# Altium PCB HW_SSB.PcbDoc (continued)
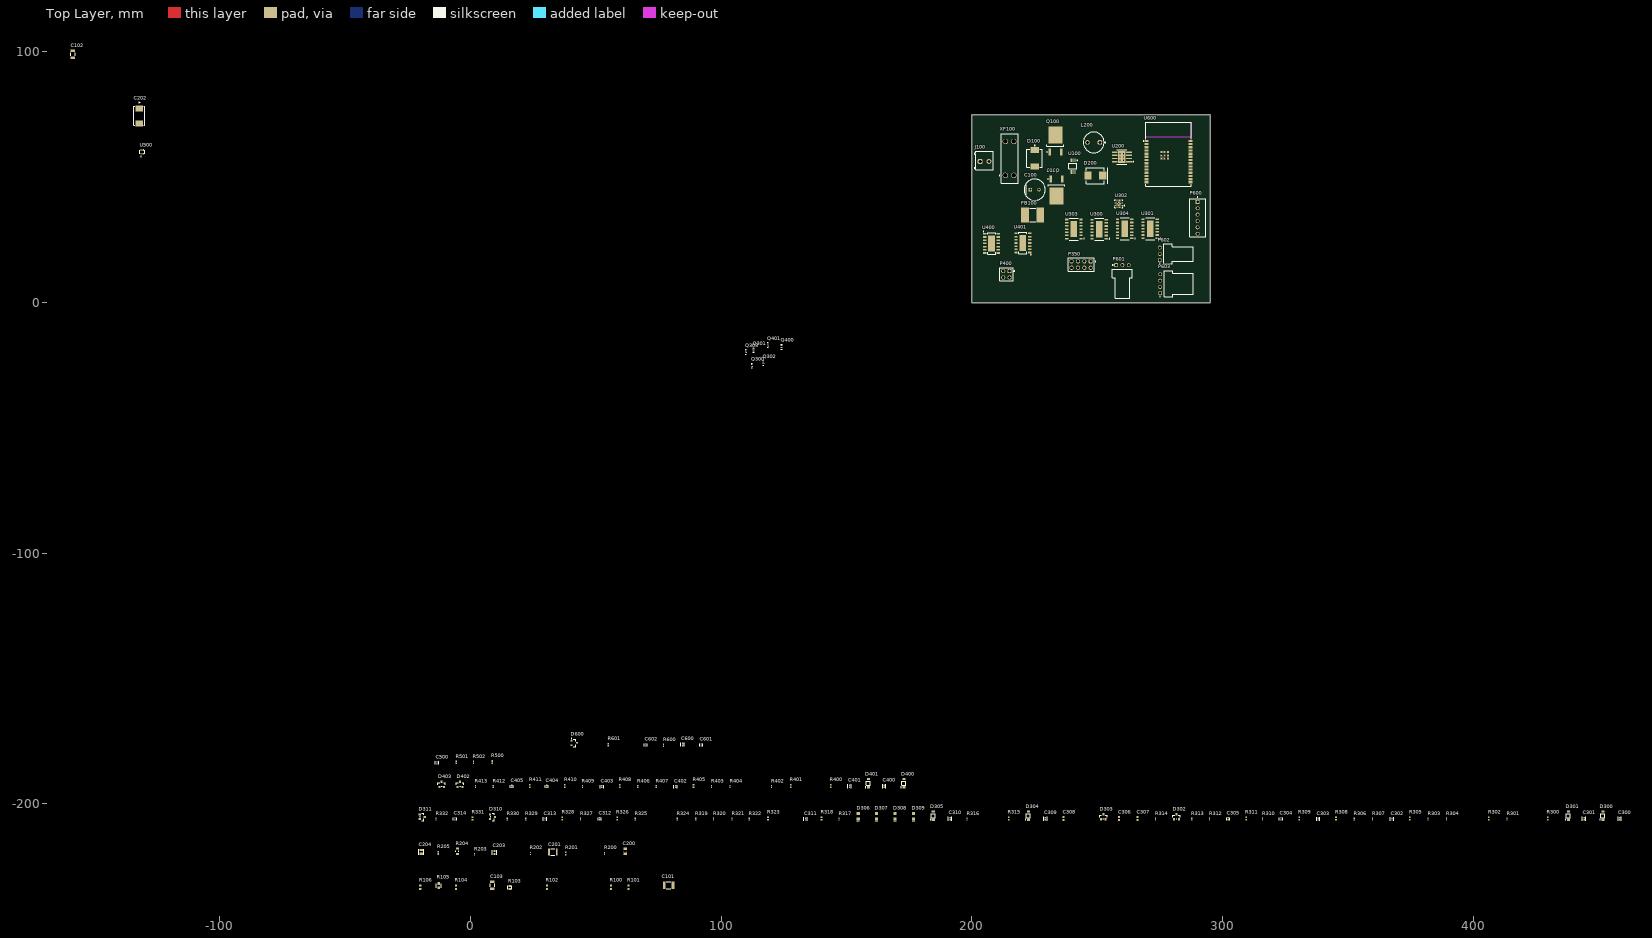
[diagram p0: Top Layer view]
## Footprints (in the part's own frame and the unit in brackets; to place one, negate y for a bottom-side part, rotate by r counter-clockwise, add the part's x,y. Pads: shape width x height; smd on the part's side, far side on the other; paste and mask are expansions set on the pad) (continued)
  Keep-Out Layer region: 9.382,6.458 -8.618,6.458 -8.618,12.458 9.382,12.458
  silkscreen extent -9.72,-13.04 9.38,12.46, body extent -8.62,-13.04 9.38,12.46, height 3.25
FP-C0402-BB-MFG [mm]
  rect 0.52x0.52 smd paste+0 mask+0: 1(-0.4,0) 2(0.4,0)
  silkscreen extent -0.5,-0.64 0.5,0.64, body extent -0.8,-0.4 0.8,0.4, height 0.25
FP-C0603C-CF-MFG [mm]
  rect 0.75x0.9 smd paste+0 mask+0: 1(-0.6,0) 2(0.6,0)
  silkscreen extent -0.87,-0.85 0.88,0.85, body extent -1.2,-0.6 1.2,0.6, height 0.25
FP-C0805C-DN-MFG [mm]
  rect 0.95x1.35 smd paste+0 mask+0: 1(-0.75,0) 2(0.75,0)
  silkscreen extent -1.1,-1.07 1.1,1.07, body extent -1.4,-0.85 1.4,0.85, height 0.25
FP-C1206C-EB-MFG [mm]
  rect 0.95x1.7 smd paste+0 mask+0: 1(-1.4,0) 2(1.4,0)
  silkscreen extent -0.55,-0.9 0.55,0.9, body extent -2,-1 2,1, height 0.25
FP-C3225-250-0_4-IPC_A [mm]
  rect 1.153x2.904 smd paste+0 mask+0: 1(-1.775,0) 2(1.775,0)
  silkscreen extent -0.9,-1.45 0.9,1.45, body extent -2.85,-1.95 2.85,1.95, height 0.25
FP-CC0805-0_85-MFG [mm]
  rect 0.95x1.4 smd paste+0 mask+0: 1(-0.925,0) 2(0.925,0)
  silkscreen extent -0.08,-0.72 0.08,0.72, body extent -1.6,-1.05 1.6,1.05, height 0.25
FP-CRCW0603-e3-IPC_A [mm]
  rect 1.135x1.062 smd paste+0 mask+0: 1(-0.815,0) 2(0.815,0)
  silkscreen extent -0.75,-0.95 0.75,0.95, body extent -1.88,-1.03 1.88,1.03, height 0.25
FP-CRCW0603-e3-IPC_C [mm]
  rect 0.735x0.862 smd paste+0 mask+0: 1(-0.615,0) 2(0.615,0)
  silkscreen extent -0.75,-0.85 0.75,0.85, body extent -1.08,-0.58 1.08,0.58, height 0.25
FP-DDA0008E-MFG [mm]
  rect 2.2x0.5 smd paste-1000 mask+0: 1(-2.875,1.905) 2(-2.875,0.635) 3(-2.875,-0.635) 4(-2.875,-1.905) 5(2.875,-1.905) 6(2.875,-0.635) 7(2.875,0.635) 8(2.875,1.905)
  rect 2.95x4.9 smd paste-1000 mask-1000: 9(0,0)
  silkscreen extent -4.68,-2.83 2,2.83, body extent -4.08,-2.68 4.08,2.68, height 0.25
FP-DRL0006A-MFG [mm]
  rrect33% 0.67x0.3 smd paste+0 mask+0: 1(-0.74,0.5) 2(-0.74,0) 3(-0.74,-0.5) 4(0.74,-0.5) 5(0.74,0) 6(0.74,0.5)
  silkscreen extent -1.9,-1.05 0.65,1.05, body extent -1.17,-1.1 1.17,1.1, height 0.25
FP-GRM15-0_1-MFG [mm]
  rect 0.4x0.5 smd paste+0 mask+0: 1(-0.4,0) 2(0.4,0)
  silkscreen extent -0.55,-0.63 0.55,0.63, body extent -0.7,-0.38 0.7,0.38, height 0.25
FP-GRM155-0_05-IPC_B [mm]
  rect 0.615x0.572 smd paste+0 mask+0: 1(-0.429,0) 2(0.429,0)
  silkscreen extent -0.74,-0.69 0.74,0.69, body extent -0.89,-0.44 0.89,0.44, height 0.25
FP-GRM155-0_05-IPC_C [mm]
  rect 0.515x0.472 smd paste+0 mask+0: 1(-0.379,0) 2(0.379,0)
  silkscreen extent -0.64,-0.67 0.64,0.67, body extent -0.74,-0.38 0.74,0.38, height 0.25
FP-PG-DSO-14-MFG [mm]
  rect 1.31x0.64 smd paste+0 mask+0: 1(-2.845,3.81) 2(-2.845,2.54) 3(-2.845,1.27) 4(-2.845,0) 5(-2.845,-1.27) 6(-2.845,-2.54) 7(-2.845,-3.81) 8(2.845,-3.81) 9(2.845,-2.54) 10(2.845,-1.27) 11(2.845,0) 12(2.845,1.27) 13(2.845,2.54) 14(2.845,3.81)
  rect 2.65x6.5 smd paste+0 mask+0: 15(0,0)
  silkscreen extent -4.23,-4.38 1.82,4.38, body extent -3.6,-4.47 3.6,4.47, height 0.25
FP-POSCAP-D2E-MFG [mm]
  rect 2.4x2.9 smd paste+0 mask+0: 1(-3.05,0) 2(3.05,0)
  silkscreen extent -3.8,-2.25 5.68,2.25, body extent -4.35,-2.35 4.35,2.35, height 0.25
FP-RAD-TH-D_8_0_5-L_11_5-MFG [mm]
  rect 1.3x1.3 hole 0.8 paste-2539.97 mask+0: 1(-1.75,0)
  round 1.3 hole 0.8 paste-2539.97 mask+0: 2(1.75,0)
  silkscreen extent -4.25,-4.25 4.25,4.25, body extent -4.35,-4.35 4.35,4.35, height 0.25
FP-RT0805-MFG [mm]
  rect 0.9x1.2 smd paste+0 mask+0: 1(-1.05,0) 2(1.05,0)
  silkscreen extent -0.23,-0.67 0.23,0.67, body extent -1.6,-0.77 1.6,0.77, height 0.25
FP-RTE0016C-MFG [mm]
  rrect42% 0.6x0.24 smd paste+0 mask+0: 1(-1.4,0.75) 2(-1.4,0.25) 3(-1.4,-0.25) 4(-1.4,-0.75) 9(1.4,-0.75) 10(1.4,-0.25) 11(1.4,0.25) 12(1.4,0.75)
  rrect42% 0.24x0.6 smd paste+0 mask+0: 5(-0.75,-1.4) 6(-0.25,-1.4) 7(0.25,-1.4) 8(0.75,-1.4) 13(0.75,1.4) 14(0.25,1.4) 15(-0.25,1.4) 16(-0.75,1.4)
  rrect6% 1.68x1.68 smd paste-1000 mask+0: 17(0,0)
  silkscreen extent -2.33,-1.55 1.55,1.55, body extent -1.8,-1.8 1.8,1.8, height 0.25
FP-SMCJ-MFG [mm]
  rect 2.4x3.3 smd paste+0 mask+0: 1(-3.3,0) 2(3.3,0)
  silkscreen extent -5.27,-3.11 3.55,3.11, body extent -4.6,-3.21 4.6,3.21, height 0.25
FP-SOT23-MFG [mm]
  rect 0.9x0.8 smd paste+0 mask+0: 1(-1,0.95) 2(-1,-0.95) 3(1,0)
  silkscreen extent -0.7,-1.5 0.7,1.5, body extent -1.55,-1.6 1.55,1.6, height 0.25
FP-SOT883B-MFG [mm]
  rrect40% 0.4x0.25 smd paste-1000 mask+0: 1(-0.35,0.225) 2(-0.35,-0.225)
  rrect25% 0.4x0.7 smd paste-1000 mask+0: 3(0.35,0)
  silkscreen extent -0.97,-0.25 0.97,0.25, body extent -0.65,-0.45 0.65,0.45, height 0.25
INF-PG-TO252-3-313_M#1 [mm] "DPAK, 3-Leads, Body 6.5x6.12mm, Pitch 2.28mm, IPC Low Density"
  rect 2.85x1 smd: 1(-4.4,2.28) 3(-4.4,-2.28)
  rect 6.9x5.65 smd: 2(2.4,0)
  silkscreen extent -4.52,-3.35 -1.45,3.45, body extent -2.05,-3.32 4.17,3.32, height 2.35
INF-PG-TO252-3-313_M#2 [mm] "DPAK, 3-Leads, Body 6.5x6.12mm, Pitch 2.28mm, IPC Low Density"
  rect 2.85x1 smd: 1(-4.4,-2.28) 3(-4.4,2.28)
  rect 6.9x5.65 smd: 2(2.4,0)
  silkscreen extent -4.52,-3.45 -1.45,3.35, body extent -2.05,-3.32 4.17,3.32, height 2.35
INF-SOT23_L [mm] "SOT23, 3-Leads, Body 2.9x1.3 mm, Pitch 0.95 mm, IPC High Density"
  rect 0.75x0.6 smd: 1(-1.1,0.95) 2(-1.1,-0.95) 3(1.1,0)
  silkscreen extent -1.22,-1.5 0.7,1.92, body extent -0.7,-1.5 0.7,1.5, height 1.1
KSTN-3557-2 [mm] "Fuse Holder, PCB Mount, Thru-Hole, Body 19.8x6.8mm, Height 7.4mm"
  round 2.15 hole 1.8: 1(-6.75,1.7) 2(-6.75,-1.7) 3(6.75,1.7) 4(6.75,-1.7)
  silkscreen extent -9.9,-3.4 9.9,4.12, body extent -9.91,-3.37 9.91,3.37, height 7.74
MOLX-22-23-2061_V [mm] "THD, 6-Leads, Body 15.24x6.35mm, Pitch 2.54mm"
  rect 1.55x1.55 hole 1.02: 1(-6.35,0)
  round 1.55 hole 1.02: 2(-3.81,0) 3(-1.27,0) 4(1.27,0) 5(3.81,0) 6(6.35,0)
  silkscreen extent -8.39,-3.18 7.62,3.18, body extent -7.54,-3.25 7.54,3.1, height 10.67
ONSC-SOD-123-2-425-04_V [mm] "SOD, 2-Leads, Body 2.69x1.6mm"
  rect 0.91x1.22 smd: 1(-1.635,0) 2(1.635,0)
  silkscreen extent -1.76,-0.8 0.78,1.28, body extent -1.35,-0.8 1.35,0.8, height 1.35
RESC0201(0603)_M [mm] "Chip Resistor, Body 0.6x0.3mm, IPC Low Density"
  rect 0.55x0.55 smd: 1(-0.4,0) 2(0.4,0)
  body extent -0.31,-0.16 0.31,0.16, height 0.3
RESC0603X28X15LL05T05 [mm] "Chip Resistor, 2-Leads, Body 0.60x0.30mm, IPC High Density"
  rect 0.35x0.25 smd: 1(-0.275,0) 2(0.275,0)
  body extent -0.33,-0.17 0.32,0.18, height 0.28
RESC0603X28X15ML05T05 [mm] "Chip Resistor, 2-Leads, Body 0.60x0.30mm, IPC Low Density"
  rect 0.55x0.45 smd: 1(-0.375,0) 2(0.375,0)
  body extent -0.33,-0.17 0.33,0.18, height 0.28
RESC1005X40X25LL05T10 [mm] "Chip Resistor, 2-Leads, Body 1.00x0.50mm, IPC High Density"
  rect 0.5x0.45 smd: 1(-0.375,0) 2(0.375,0)
  body extent -0.53,-0.27 0.53,0.28, height 0.4
RESC1005X40X25ML05T10 [mm] "Chip Resistor, 2-Leads, Body 1.00x0.50mm, IPC Low Density"
  rect 0.7x0.65 smd: 1(-0.475,0) 2(0.475,0)
  body extent -0.53,-0.27 0.53,0.28, height 0.4
RESC1005X40X25NL05T10 [mm] "Chip Resistor, 2-Leads, Body 1.00x0.50mm, IPC Medium Density"
  rect 0.6x0.55 smd: 1(-0.425,0) 2(0.425,0)
  body extent -0.53,-0.27 0.53,0.28, height 0.4
RESC1608X55X25NL10T15 [mm] "Chip Resistor, 2-Leads, Body 1.70x0.90mm, IPC Medium Density"
  rect 0.7x0.9 smd: 1(-0.7,0) 2(0.7,0)
  body extent -0.85,-0.45 0.85,0.45, height 0.55
RESC1609X50X30NL8T20 [mm] "Chip Resistor, 2-Leads, Body 1.65x0.95mm, IPC Medium Density"
  rect 0.8x0.95 smd: 1(-0.65,0) 2(0.65,0)
  body extent -0.82,-0.48 0.82,0.48, height 0.5
WE-MPSB_2220_L5.6W5.1H1.8 [mm] "SMD EMI Multilayer Power Suppression Bead, body 5.60x5.10mm"
  rect 3.05x6.1 smd: 1(-3.075,0) 2(3.075,0)
  silkscreen extent -1.2,-2.68 1.2,2.68, body extent -2.79,-2.54 2.79,2.54, height 1.8
WE-TI_8095 [mm] "Radial Leaded Wire Wound Inductor, body diameter 7.8mm"
  rrect50% 1.8x1.8 hole 1.2: 1(-2.5,0)
  round 1.8 hole 1.2: 2(2.5,0)
  silkscreen extent -4.73,-4.15 4.15,4.15, body extent -5.52,-5.52 5.52,5.52, height 9.55
WL-SMCW_0805_150080xx75000 [mm] "SMD Mono-color Chip LED, body 2.0x1.25mm"
  rect 1.1x1.3 smd: 1(-1.05,0) 2(1.05,0)
  silkscreen extent -2,-0.6 -1.8,0.6, body extent -1,-0.63 1,0.62, height 0.7

## Part data
C100: library part CMP-05427-002079-1, "Aluminum Electrolytic Capacitors (Radial Lead Type) 100uF ±20% 50V", Case/Package=Radial, ESR (Equivalent Series Resistance)=61mR, Max Operating Temperature=105°C, Min Operating Temperature=-40°C, Package Quantity=200, Ripple Current=870mA, Tolerance=20%, Voltage=50V, Capacitance=100uF, Construction=RADIAL, Contact Plating=Tin, Diameter=8mm, Height=11.5mm, Height - Seated (Max)=0.512inch, Lead Diameter=0.6mm, Lead Pitch=3.5mm, Lead/Base Style=Straight, Length=11.5mm, Life (Hours)=6000Hour, Mount="Through Hole", Number of Pins=2, Packaging=Bulk, Radiation Hardening=No, REACH SVHC="No SVHC", Ripple Current (AC)=870mA, RoHS Compliant=Yes, Series=FR, Termination=Radial, Voltage Rating=50V, Voltage Rating (DC)=50V, Impedance=61mR
C101: library part CMP-08246-007101-1, "Multilayer Ceramic Capacitors 10uF ±10% 50V X7R SMD 1210", RoHS Compliant=Yes
C102 C103: library part CMP-03020-005759-1, "CAP CER 0.1UF 50V X7R 1206", Capacitance="0.10 μF", Manufacturer=KEMET, Manufacturer Part Number=C1206C104K5RACAUTO, Package=C1206C-EB, Temperature="-55°C to +150°C", Temperature Characteristic=X7R, Temperature Coefficient=15%, Temperature Range High=+150°C, Temperature Range Low=-55°C, Tolerance=0.1, Voltage Rating="50 V", Automotive=Yes, Automotive Grade="Grade 0", Category=Cap, ComponentLink2Description=Datasheet, ComponentLink2URL=https://content.kemet.com/datasheets/KEM_C1007_X8R_ULTRA_150C_SMD.pdf, Device Class L1="Passive Components", Device Class L2=Capacitors, Device Class L3="Ceramic Capacitors", Digikey Description="CAP CER 0.1UF 50V X7R 1206", Height=0.88mm, Lead Free=Yes, Material=Ceramic, Mouser Description="Multilayer Ceramic Capacitors MLCC - SMD/SMT 0.1uF 50volts 10% X7R AUTO", Octopart=https://octopart.com/c1206c104k5racauto-kemet-12595586, RoHS=TRUE, Ipc Land Pattern Name=CAPC320160X78
C200: library part CMP-2100-03606-3, "CAP CER 0.1UF 50V X7R 0805", Capacitance="100 nF", Manufacturer=Yageo, Manufacturer Part Number=CC0805KRX7R9BB104, Package=CC0805-0.85, Temperature="-30°C to +85°C", Temperature Characteristic=X7R, Temperature Range High=+85°C, Temperature Range Low=-30°C, Tolerance=0.1, Voltage Rating="50 V", Automotive=No, Category=Cap, ComponentLink2Description=Datasheet, ComponentLink2URL=http://www.yageo.com/documents/recent/UPY-GPHC_Y5V_6.3V-to-50V_8.pdf, Device Class L1="Passive Components", Device Class L2=Capacitors, Device Class L3="Ceramic Capacitors", Digikey Description="CAP CER 0.1UF 50V X7R 0805", Footprint Url=http://www.yageo.com/exep/pages/download/literatures/UPY-C_GEN_24.pdf, Height=0.95mm, Lead Free=Yes, Material=Ceramic, Mouser Description="Multilayer Ceramic Capacitors MLCC - SMD/SMT 100nF 50V X7R 10%", Octopart=https://octopart.com/cc0805krx7r9bb104-yageo-192993, RoHS=TRUE, Ipc Land Pattern Name=CAPC200125X85
C201: library part CMP-2000-06053-1, "Chip Capacitor, 2.2 uF, +/- 10%, -55 to 125 degC, 1210 (3225 Metric), RoHS, Tape and Reel", Capacitance=2.2µF, Manufacturer=TDK, Operating Temperature=-55°C~125°C, Package / Case=1210(3225Metric), Package Description="2-Pin Surface Mount Device, Body 3.2 x 2.5 mm", Package Reference="1210 (3225 Metric)", PCN Part Number=MLCCPartNumberChange30/Nov/2012, Ratings=-, Standard Package=1, Temperature Coefficient=X7R, Tolerance=±10%, Voltage - Rated=100V, Applications=GeneralPurpose, Catalog Drawings=CSERIES_1210_2.5, Category=Capacitors, Datasheet URL=https://datasheet.ciiva.com/15192/getdatasheetpartid-725361-15192330.pdf, Datasheet Version=10/2014, Family=CeramicCapacitors, Featured Product=C-SeriesMidVoltageMLCCs, Features=-, Height - Seated (Max)=-, Lead Spacing=-, Lead Style=-, Manufacturer URL=http://www.tdk.com/, Mounting Technology=SurfaceMount, Mounting Type=SurfaceMount,MLCC, Online Catalog=CSeries,MidVoltage, Other Names=445-4497-6, Packaging=Digi-Reel®, Product Training Modules=SEAT,CCV,andTVCLDesignToolsGuidetoReplacinganElectrolyticCapacitorwithanMLCC, RoHS Information=RoHSCertificate-MLCC, Series=C, Size / Dimension="0.126\"Lx0.098\"W(3.20mmx2.50mm)", Thickness (Max)="0.098\"(2.50mm)"
C202: library part CMP-05428-001405-1, "Molded Tantalum Polymer Capacitor 100uF 20% 6.3V life 2000Hours SMD 2917", Case Code (Metric)=7343, Case Code (Imperial)=2917, ESR (Equivalent Series Resistance)=18mR, Leakage Current=63uA, Max Operating Temperature=105°C, Min Operating Temperature=-55°C, Package Quantity=3000, Ripple Current=2.8A, Tolerance=20%, Voltage=6.3V, Capacitance=100uF, Case/Package=2917, Construction=Flat, Depth=4.3mm, Dissipation Factor=10%, Features="General Purpose", Height=1.8mm, Height - Seated (Max)=0.079inch, Lead Free="Lead Free", Length=7.3mm, Material=Polymer, Mount="Surface Mount", Packaging="Tape and Reel", Polarity=Polar, Radiation Hardening=No, REACH SVHC="No SVHC", RoHS Compliant=Yes, Series="POSCAP™ TPE", Termination=SMD/SMT, Voltage Rating=6.3V, Voltage Rating (DC)=6.3V, Width=4.3mm
C203: library part CMP-1035-00716-3, "CAP CER 16PF 50V 5% NP0 0603", Capacitance="16 pF", Manufacturer=KEMET, Manufacturer Part Number=C0603C160J5GACTU, Package=C0603C-CF, Temperature="-55°C to +125°C", Temperature Characteristic=C0G, Temperature Coefficient=30ppm/°C, Temperature Range High=+125°C, Temperature Range Low=-55°C, Tolerance=0.05, Voltage Rating="50 V", Automotive=Yes, Automotive Grade="Grade 1", Category=Cap, ComponentLink2Description=Datasheet, ComponentLink2URL=https://api.kemet.com/component-edge/download/datasheet/C0603C100J5GACAUTO.pdf, Device Class L1="Passive Components", Device Class L2=Capacitors, Device Class L3="Ceramic Capacitors", Digikey Description="CAP CER 16PF 50V 5% NP0 0603", Height=0.87mm, Lead Free=Yes, Material=Ceramic, Mouser Description="Multilayer Ceramic Capacitors MLCC - SMD/SMT 50volts 16pF C0G 5%", Octopart=https://octopart.com/c0603c160j5gactu-kemet-9143816, RoHS=TRUE
C204: library part CMP-1036-03225-3, "CAP CER 2000PF 25V 5% NP0 0805", Capacitance="2,000 pF", Manufacturer=KEMET, Manufacturer Part Number=C0805C202J3GACTU, Package=C0805C-DN, Temperature="-55°C to +125°C", Temperature Characteristic=C0G, Temperature Coefficient=30ppm/°C, Temperature Range High=+125°C, Temperature Range Low=-55°C, Tolerance=0.05, Voltage Rating="25 V", Automotive=No, Category=Cap, ComponentLink2Description=Datasheet, ComponentLink2URL=https://content.kemet.com/datasheets/KEM_C1003_C0G_SMD.pdf, Device Class L1="Passive Components", Device Class L2=Capacitors, Device Class L3="Ceramic Capacitors", Digikey Description="CAP CER 2000PF 25V 5% NP0 0805", Height=0.88mm, Lead Free=Yes, Material=Ceramic, Mouser Description="Cap Ceramic 0.002uF 25V C0G 5% SMD 0805 125°C Paper T/R", Octopart=https://octopart.com/c0805c202j3gactu-kemet-11998870, RoHS=TRUE, Ipc Land Pattern Name=CAPC200125X78
C300 C301 C309 C310 C400 C401 C600: library part CMP-2008-04639-2, "Chip Multilayer Ceramic Capacitors for General Purpose, 0402, 0.10uF, X7R, 15%, 10%, 50V", Capacitance=100nF, Case Code (Metric)=1005, Case Code (Imperial)=0402, Dielectric=X7R, Dielectric Material=Ceramic, Max Operating Temperature=125°C, Min Operating Temperature=-55°C, Package Quantity=10000, Tolerance=10%, Voltage=50V, Case/Package=0402, Depth=0.5mm, Dissipation Factor=0.025%, Height=0.5mm, Lead Free="Lead Free", Length=1mm, Material=Ceramic, Mount="Surface Mount", Packaging="Tape and Reel", REACH SVHC="No SVHC", Resistor Type=Ceramic, Termination=SMD/SMT, Thickness=0.022inch, Voltage Rating=50V, Voltage Rating (DC)=50V, Weight=0.000212oz, Width=0.5mm
C302 C303 C311 C313 C402 C403 C500: library part CMP-2008-04637-5, "Chip Multilayer Ceramic Capacitors for General Purpose, 0402, 10000pF, X7R, 15%, 10%, 50V", Capacitance=10nF, Case Code (Metric)=1005, Case Code (Imperial)=0402, Dielectric=X7R, Max Operating Temperature=125°C, Min Operating Temperature=-55°C, Package Quantity=1, Tolerance=10%, Voltage=25V, Voltage Rating=50V, Case/Package=0402, Depth=0.5mm, Height=0.5mm, Lead Free="Lead Free", Length=1mm, Material=Ceramic, Mount="Surface Mount", Number of Pins=2, Packaging="Tape and Reel", Radiation Hardening=No, REACH SVHC="No SVHC", Termination=SMD/SMT, Thickness=0.022inch, Voltage Rating (DC)=50V, Width=0.02inch
C304 C305 C312 C314 C404 C405: library part CMP-2008-03284-2, "CAP CER 100PF 50V C0G/NP0 0402", Capacitance="100 pF", Manufacturer=Kemet, Manufacturer Part Number=C0402C101J5GACTU, Package=C0402-BB, Temperature="-55°C to +125°C", Temperature Characteristic=C0G, Temperature Coefficient=15%, Temperature Range High=+125°C, Temperature Range Low=-55°C, Tolerance=0.05, Voltage Rating="50 V", Automotive=No, Category=Cap, ComponentLink2Description=Datasheet, ComponentLink2URL=https://content.kemet.com/datasheets/KEM_C1002_X7R_SMD.pdf, Device Class L1="Passive Components", Device Class L2=Capacitors, Device Class L3="Ceramic Capacitors", Digikey Description="CAP CER 100PF 50V C0G/NP0 0402", Height=0.55mm, Lead Free=Yes, Material=Ceramic, Mouser Description="Multilayer Ceramic Capacitors MLCC - SMD/SMT 50volts 100pF C0G 5%", Octopart=https://octopart.com/c0402c101j5gactu-kemet-132471, RoHS=TRUE, Ipc Land Pattern Name=CAPC10050X50
C306 C307 C308: library part CMP-2000-06336-1, "Chip Capacitor, 1 uF, +/- 10%, 10 V, -55 to 85 degC, 0603 (1608 Metric), RoHS, Tape and Reel", Capacitance - nF=1000nF, Case Code - in=0603, Case Code - mm=1608, Case Height=0.8mm, Case Length=1.6mm, Dielectric=X5R, Manufacturer=Murata, Maximum Operating Temperature=+85C, Minimum Operating Temperature=-55C, Operating Temperature Range=-55Cto+85C, Package / Case=0603(1608metric), Package Description="2-Pin Surface Mount Device, Body 1.6 x 0.8 mm", Temperature Coefficient / Code=+/-15%, Tolerance=10%, Voltage Rating=10V, Brand=MurataElectronics, Capacitance=1uF, Case Width=0.8mm, Datasheet URL=http://search.murata.co.jp/Ceramy/image/img/A01X/G101/ENG/GRM188R61A105KA61-01.pdf, Datasheet Version=02/2016, Dimensions=0.8mmWx1.6mmLx0.8mmH, Factory Pack Quantity=4000, Manufacturer URL=http://www.murata.com/, Mounting Technology=SurfaceMount, Package Reference=0603, Packaging=Reel, Product=GeneralTypeMLCCs, Product Category=MultilayerCeramicCapacitorsMLCC-SMD/SMT, RoHS=Details, Series=GRM, Termination Style=SMD/SMT, Type=GeneralPurposeMLCC, Voltage Rating DC=10V
C601 C602: library part CMP-2008-04556-2, "CAP CER 1UF 10V X5R 0402", Manufacturer=Murata, Manufacturer Part Number=GRM155R61A105KE15D, Package=GRM15-0.1, Temperature="-55°C to +85°C", Temperature Characteristic=X5R, Temperature Coefficient=15%, Temperature Range High=+85°C, Temperature Range Low=-55°C, Tolerance=10%, Voltage Rating=10V, Automotive=No, Capacitance=1uF, Category=Cap, ComponentLink2Description=Datasheet, ComponentLink2URL=https://search.murata.co.jp/Ceramy/image/img/A01X/G101/ENG/GRM155R61A105KE15-01A.pdf, Device Class L1="Passive Components", Device Class L2=Capacitors, Device Class L3="Ceramic Capacitors", Digikey Description="CAP CER 1UF 10V X5R 0402", Height=0.55mm, Lead Free=Yes, Material=Ceramic, Mouser Description="0402 1 uF 10 V ±10% Tolerance X5R Surface Mount Multilayer Ceramic Capacitor", Octopart=https://octopart.com/grm155r61a105ke15d-murata-197442, RoHS=TRUE, Ipc Land Pattern Name=CAPC10050X50
D100: library part CMP-2000-07108-2, "TVS DIODE 36V 58.1V DO214AB", Breakdown Voltage=40V, Case/Package=SMC, Clamping Voltage=58.1V, Leakage Current=1uA, Max Breakdown Voltage=44.2V, Max Operating Temperature=150°C, Max Power Dissipation=6.5W, Max Surge Current=25.9A, Min Operating Temperature=-65°C, Operating Supply Voltage=36V, Package Quantity=3000, Peak Pulse Power=1.5kW, Power Line Protection=No, Test Current=1mA, Composition=Zener, Direction=Unidirectional, Element Configuration=Single, Height=2.417mm, Lead Free="Lead Free", Length=7.11mm, Max Reverse Leakage Current=1uA, Min Breakdown Voltage=40V, Mount="Surface Mount", Number of Channels=1, Number of Elements=1, Number of Pins=2, Number of Unidirectional Channels=1, Packaging="Tape and Reel", Peak Pulse Current=25.9A, Polarity=Unidirectional, Power Dissipation=1.5kW, Radiation Hardening=No, REACH SVHC="No SVHC", Reverse Breakdown Voltage=40V, Reverse Standoff Voltage=36V, Termination=SMD/SMT, Voltage Rating (DC)=36V, Width=6.22mm
D200: library part CMP-2000-05098-2, "Schottky Barrier Rectifier, 5 A, 60 V, -55 to 125 degC, 2-Pin SMD, RoHS, Tape and Reel", Manufacturer=DiodesIncorporated, Maximum Operating Temperature=+125C, Minimum Operating Temperature=-55C, Operating Temperature Range=-55Cto+125C, Package / Case=SMC, Vf - Forward Voltage=0.7V, Vrrm - Repetitive Reverse Voltage=60V, If - Forward Current=5A, Ifsm - Forward Surge Current=100A, Ir - Reverse Current=500uA, Brand=DiodesIncorporated, Configuration=Single, Datasheet URL=https://datasheet.ciiva.com/27052/1538961-27052355.pdf, Datasheet Version="Rev. 7-2, 06/2007", Factory Pack Quantity=3000, Height=2.5mm, Length=7.11mm, Manufacturer URL=http://www.diodes.com/, Mounting Style=SMD/SMT, Packaging=Reel, Product=SchottkyDiodes, Product Category=SchottkyDiodes&Rectifiers, RoHS=True, Series=B560, Technology=Si, Termination Style=SMD/SMT, Type=SchottkyBarrierRectifier, Unit Weight=0.007408oz, Width=6.22mm
D300 D301 D304 D305 D400 D401: library part CMP-1060-00377-1, "Zener Voltage Regulator, 500 mW, 2-Pin SOD-123, Pb-Free, Tape and Reel", Manufacturer="On Semiconductor", ComponentLink1Description="Manufacturer URL", ComponentLink1URL=http://www.onsemi.com/, ComponentLink2Description=Datasheet, ComponentLink2URL=http://www.onsemi.com/pub_link/Collateral/MMSZ5221BT1-D.PDF, ComponentLink3Description="Package Specification", ComponentLink3URL=http://www.onsemi.com/pub_link/Collateral/425-04.PDF, DatasheetVersion="Rev. 12", Mounting Technology="Surface Mount", P Max (W)=0.5, PackageDescription="2-Pin SOD, Body 1.6 x 2.69 mm", PackageReference=SOD-123-2-425-04, PackageVersion="Rev. G, 10/2009", Packing="Tape and Reel", PartNumber=MMSZ5263BT1G, RoHS=Pb-Free, VZ Typ (V)=56
D302 D303 D310 D311 D402 D403: library part CMP-12791-000036-1, "DIODE GEN PURP 200V 200MA SOT23", Capacitance=5pF, Forward Current=400mA, Manufacturer="Diodes Inc.", Max Junction Temp=+150°C, Max Repetitive Reverse Voltage=250V, Max Surge Forward Current=0.5A, Package=SOT23, Peak Reverse Current=0.1uA, Reverse Voltage=200V, Temperature="-65°C to +150°C", Temperature Range Low=-65°C, Automotive=No, Category=Diode, ComponentLink2Description=Datasheet, ComponentLink2URL=https://www.diodes.com/assets/Datasheets/Ds12004.pdf, Device Class L1="Discrete Semiconductors", Device Class L2=Diodes, Device Class L3="Rectifier Diodes", Digikey Description="DIODE GEN PURP 200V 200MA SOT23", Footprint Url=https://www.diodes.com/assets/Package-Files/SOT23.pdf, Height=1.1mm, Lead Free=Yes, Manufacturer Part Number=BAS21-7-F, Mouser Description="Diodes - General Purpose, Power, Switching 200V 350mW", Octopart=https://octopart.com/bas21-7-f-diodes+inc.-325943, RoHS=TRUE, Standoff Height=0.013mm, Temperature Range High=+150°C, Ipc Land Pattern Name=SOT92P240X102-3
D306 D307 D308 D309: library part CMP-1426-00009-6, "WL-SMCW SMT Mono-Color Chip LED Waterclear", Case Code (Metric)=2012, Case Code (Imperial)=0805, Color=Green, Forward Current=100mA, Forward Voltage=2V, Max Junction Temperature (Tj)=95°C, Max Operating Temperature=85°C, Max Reverse Voltage (DC)=5V, Min Operating Temperature=-40°C, Power Dissipation=72mW, Test Current=20mA, Case/Package=0805, Dominant Wavelength=570nm, Height=700µm, Length=2mm, Lens Style="Clear, Rectangular", Luminous Intensity=40mcd, Mount="Surface Mount", Packaging="Tape and Reel", Peak Wavelength=572nm, REACH SVHC=Unknown, Reverse Voltage=5V, RoHS=Compliant, Viewing Angle=140°, Wavelength=570nm, Width=1.25mm
D600: library part CMP-1182-00010-1, "Silicon Schottky Diode, SOT23, Reel, Green", Manufacturer=Infineon, ComponentLink1Description="Manufacturer URL", ComponentLink1URL=http://www.infineon.com/, ComponentLink2Description=Datasheet, ComponentLink2URL=http://www.infineon.com/dgdl/bat54series.pdf?folderId=db3a30431400ef68011425f1ca2505e3&fileId=db3a304314dca3890115190b74210ea6, ComponentLink3Description="Package Specification", ComponentLink3URL=http://www.infineon.com/dgdl/SOT23-Package_Overview.pdf?folderId=db3a30431936bc4b0119532290053c66&fileId=db3a30431936bc4b0119533468123c85, Configuration=Single, CT (max)="10Â pF", Green=TRUE, Mounting Technology="Surface Mount", PackageDescription="3-Pin Small Outline Transistor Package, 1.3 x 2.9 mm Body, 0.95 mm Pitch", PackageReference=SOT23, PackageVersion=Apr-08, Packing=Reel, PartNumber=BAT54, VF (max)="800Â mV", VR (max)="30Â V", IF (max)="200Â mA"
FB100: library part CMP-1413-00001-2, Case Code (Metric)=5650, Case Code (Imperial)=2220, Current Rating=5A, DC Resistance (DCR)=7mΩ, Frequency=700MHz, Max Operating Temperature=125°C, Min Operating Temperature=-55°C, Test Frequency=100MHz, Tolerance=25%, Case/Package=2220, Depth=5.08mm, Height=1.8mm, Length=5.6mm, Material="Ferrite, Steel", Max Current Rating=5A, Max DC Current=5A, Mount="Surface Mount", NexarPartId=21273886, Number of Lines=1, Packaging=Digi-Reel®, REACH SVHC=Unknown, RoHS=Compliant, Termination=SMD/SMT, Width=5.1mm, Impedance=150Ω
J100: library part CMP-1502-02464-3, "2141 Series 3.5MM Pitch Straight, Pcb Terminal Block, Through Hole, 2 Way", Color="Blue, Green", Current=10A, Max Operating Temperature=105°C, Min Operating Temperature=-40°C, Voltage=300V, Contact Material=Tin, Contact Plating="Brass, Tin", Current Rating=10A, Height=8.7mm, Housing Material=Nylon, Lead Pitch=3.5mm, Length=7.4mm, Mount="Through Hole", Number of Contacts=2, Number of Levels=1, Number of Pins=2, Number of Positions Per Level=2, Number of Rows=1, Packaging=Box, Pitch=3.5052mm, Plating="Brass, Steel", RoHS=Compliant, Stripping Length=-6mm, Termination=Screw, Voltage Rating=300V, Width=7.9mm, Wire Gauge (Max)=24AWG, Wire Gauge (Min)=16AWG, Wire/Cable Gauge=24AWG
L200: library part CMP-03913-110288128-3, "Inductor, 22Uh, Unshielded, 3A, Rad Rohs Compliant: Yes", Ambient Temperature Range High=85°C, Ambient Temperature Range Low=-40°C, Current Rating=3A, DC Resistance (DCR)=46mΩ, Max Operating Temperature=125°C, Voltage Rating=80V, Inductance=22µH, Height=9.5mm, Length=7.8mm, Min Operating Temperature=-40°C, RoHS=Compliant, Width=7.8mm
P350: library part CMP-1502-01078-4, "THT Vertical Pin Header WR-PHD, Pitch 2.54 mm, Dual Row, 8 pins", Color=Black, Contact Resistance=20mΩ, Current Rating=3A, Max Operating Temperature=105°C, Min Operating Temperature=-40°C, Operating Supply Voltage=250V, Connector Type="Male Pin", Contact Material=Gold, Contact Mating Length=5.9944mm, Contact Plating=Gold, Gender=Male, Height=8.89mm, Lead Free="Lead Free", Lead Pitch=2.54mm, Mount="Through Hole", Number of Contacts=8, Number of Pins=8, Number of Positions=8, Number of Rows=2, Orientation=Vertical, Packaging=Bulk, Pitch=2.54mm, RoHS=Compliant, Row Spacing=2.54mm, Termination=Solder, Voltage Rating=250V
P400: library part CMP-1502-01066-5, "THT Vertical Pin Header WR-PHD, Pitch 2.54 mm, Dual Row, 4 pins", Color=Black, Contact Resistance=20mΩ, Current Rating=3A, Max Operating Temperature=105°C, Min Operating Temperature=-40°C, Operating Supply Voltage=250V, Connector Type="Male Pin", Contact Material=Gold, Contact Mating Length=5.9944mm, Contact Plating=Gold, Gender=Male, Height=8.89mm, Lead Free="Lead Free", Lead Pitch=2.54mm, Mount="Through Hole", Number of Contacts=4, Number of Pins=4, Number of Positions=4, Number of Rows=2, Orientation=Vertical, Packaging=Bulk, Pitch=2.54mm, RoHS=Compliant, Row Spacing=2.54mm, Termination=Solder, Voltage Rating=250V
P600: library part CMP-2000-05536-1, "Male Header, Pitch 2.54 mm, 1 x 6 Position, Height 10.67 mm, Tail Length 3.56 mm, 0 to 70 degC, RoHS, Bulk", Current Rating=4A, Manufacturer=Molex, Package Description="Male Header, Pitch 2.54 mm, 1 x 6 Position, Height 10.67 mm, Tail Length 3.56 mm", Voltage Rating=250V, Brand=Molex, Contact Material=Brass, Contact Plating=Tin, Datasheet URL=https://datasheet.ciiva.com/19460/232303-19460895.pdf, Datasheet Version="Rev. P, 09/2001", Factory Pack Quantity=1000, Housing Material=Nylon, Manufacturer URL=http://www.molex.com/, Mounting Angle=Vertical, Mounting Style=ThroughHole, Mounting Technology=ThroughHole, Number of Positions=6, Number of Positions / Contacts=6, Number of Rows=1, Package Reference=22-23-2061, Packaging=Bulk, Pitch=2.54mm, Product Category=.100K.K.Connectors, Product Type=Headers, RoHS=Details, Series=6373, Termination Style=ThroughHole, Tradename=KK, Type=PinStrip
P601 P602: library part CMP-1502-00593-3, "WR-WTB 2.54mm Male 3Pin Left Angled Header Bottom Locking", Color=Beige, Contact Resistance=20mΩ, Current Rating=3A, Flammability Rating="UL94 V-0", Max Operating Temperature=105°C, Min Operating Temperature=-40°C, Operating Supply Voltage=250V, Insulation Resistance=1GΩ, Connector Type="Male Pin", Contact Gender=Male, Contact Material=Copper, Contact Mating Length=7.62mm, Contact Plating=Tin, Fastening Type=Friction, Gender=Male, Height=3.3mm, Housing Material=Nylon, Lead Pitch=2.54mm, Length=7.62mm, Mount="Through Hole", Number of Contacts=3, Number of Pins=3, Number of Positions=3, Number of Rows=1, Packaging=Bulk, Pitch=2.54mm, RoHS=Compliant, Termination="Through Hole", Voltage Rating=250V, Width=7.66mm, Insulation=Insulated
P603: library part CMP-1502-00594-3, "Wr-wtb Series, 2.54MM Pitch 4 Way 1 Row Right Angle Pcb Header, Through Hole", Color=Beige, Contact Resistance=20mΩ, Current Rating=3A, Flammability Rating="UL94 V-0", Max Operating Temperature=105°C, Min Operating Temperature=-40°C, Operating Supply Voltage=250V, Insulation Resistance=1GΩ, Connector Type="Male Pin", Contact Gender=Male, Contact Material=Copper, Contact Mating Length=7.62mm, Contact Plating=Tin, Fastening Type=Friction, Gender=Male, Height=3.3mm, Housing Material=Nylon, Lead Pitch=2.54mm, Length=10.16mm, Mount="Through Hole", Number of Contacts=4, Number of Pins=4, Number of Positions=4, Number of Rows=1, Packaging=Bulk, Pitch=2.54mm, RoHS=Compliant, Termination="Through Hole", Voltage Rating=250V, Width=10.2mm, Insulation=Insulated
Q100 Q101: library part CMP-1138-00161-1, "OptiMOS-T2 Power-Transistor, 100 V VDS, 90 A ID, PG-TO252-3-313, Reel, Green", Manufacturer=Infineon, ComponentLink1Description="Manufacturer URL", ComponentLink1URL=http://www.infineon.com/, ComponentLink2Description=Datasheet, ComponentLink2URL=http://www.infineon.com/dgdl/IPD90N10S4L-06_DS_1_0.pdf?folderId=db3a3043156fd5730115c7d50620107c&fileId=db3a3043372d5cc80137500063630512&location=en.Products.Automotive_ICs.Automotive_MOSFETs.Single__N-Channel_100V_MOSFETs.DATASHEET.IPD90N10S4L-06_DS_1_0.p, ComponentLink3Description="Package Specification", ComponentLink3URL=http://www.infineon.com/dgdl/PG-TO252-3-313-Package_Overview.pdf?folderId=db3a30432b57a660012b81890ade72d2&fileId=db3a30432b57a660012b8193af2872eb, DatasheetVersion="Rev. 1.0", Green=TRUE, Halogen-free=TRUE, Mounting Technology="Surface Mount", PackageDescription="3-Pin Plastic (Green) Transistor Single Outline Package, 6.5 x 6.12 mm Body, 2.28 mm Pitch", PackageReference=PG-TO252-3-313, PackageVersion=Oct-10, Packing=Reel, PartNumber=IPD90N10S4L-06, Ptot (max)="136 W", QG="75 nC", RDS (on) (max) (@4.5V)="8.1 mOhm", RDS (on) (max) (@10V)="6.6 mOhm", RthJC (max)="1.1 K/W", Technology=OptiMOS-T2, VDS (max)="100 V", VGS(th) (max)="2.1 V", VGS(th) (min)="1.1 V", ID (max)="90 A", IDpuls (max)="360 A"
Q300 Q301 Q302 Q303 Q400 Q401: library part CMP-14406-000022-1, "TRANS NPN 40V 0.2A 3DFN"
R100 R102 R104 R106: library part CMP-1666-00005-4, "Chip Resistor, 10 KOhm, +/- 1%, 100 mW, -55 to 155 degC, 0603 (1608 Metric), RoHS, Tape and Reel", Manufacturer="Vishay Semiconductor", Max Operating Temperature="155 degC", Min Operating Temperature="-55 degC", Package Quantity=5000, Voltage Rating="75 V", ComponentLink1Description="Manufacturer URL", ComponentLink1URL=http://www.vishay.com/, ComponentLink2Description=Datasheet, ComponentLink2URL=https://datasheet.ciiva.com/11809/0900766b80d98afc-11809037.pdf, DatasheetVersion=06/2012, Height="0.45 mm", Length="1.55 mm", Mounting Technology="Surface Mount", PackageDescription="2-Pin Surface Mount Device, Body 1.575 x 0.85 mm", PackageReference=0603, Packaging="Tape and Reel", REACH SVHC=Unknown, RoHSCompliant=true
R101: library part CMP-1659-00008-4, "Chip Resistor, 10 Ohm, +/- 1%, 0.1 W, -55 to 155 degC, 0603 (1608 Metric), RoHS, Tape and Reel", Manufacturer=Yageo, Max Operating Temperature="155 degC", Min Operating Temperature="-55 degC", Package Quantity=200, Voltage Rating="50 V", ComponentLink1Description="Manufacturer URL", ComponentLink1URL=http://www.yageo.com/, ComponentLink2Description=Datasheet, ComponentLink2URL=http://www.yageo.com/documents/recent/PYu-RC_Group_51_RoHS_L_04.pdf, ComponentLink3Description="Package Specification", ComponentLink3URL=http://www.farnell.com/datasheets/443971.pdf, DatasheetVersion="Rev. 4, 02/2016", Height="0.45 mm", Length="1.6 mm", Mount="Surface Mount", Mounting Technology="Surface Mount", PackageDescription="2-Pin Surface Mount Device, Body 1.6 x 0.8 mm", PackageReference=0603, Packaging="Tape and Reel", Pins=2, REACH SVHC="No SVHC", RoHSCompliant=true
R103: library part CMP-2000-03887-2, "RES Thick Film, 130kΩ, 1%, 0.1W, 100ppm/°C, 0603", Case Code (Metric)=1608, Case Code (Imperial)=0603, Max Operating Temperature=155°C, Max Power Dissipation=100mW, Min Operating Temperature=-55°C, Package Quantity=10, Resistance=130kR, Temperature Coefficient=100ppm/°C, Tolerance=1%, Voltage Rating=75V, Case/Package=0603, Composition="Thick Film", Contact Plating=Tin, Depth=0.85mm, Features="Automotive AEC-Q200", Height=0.45mm, Lead Free="Lead Free", Length=1.55mm, Military Standard=Not, Number of Pins=2, Number of Terminations=2, Packaging="Tape and Reel", Power Rating=100mW, Radiation Hardening=No, Termination=SMD/SMT, Voltage Rating (DC)=75V, Weight=7.1E-05oz, Width=0.033inch
R105: library part CMP-2000-03129-2, "RES Thick Film, 25.5kΩ, 1%, 0.1W, 100ppm/°C, 0603", Case Code (Metric)=1608, Case Code (Imperial)=0603, Max Operating Temperature=155°C, Max Power Dissipation=100mW, Min Operating Temperature=-55°C, Package Quantity=10, Resistance=25.5kR, Temperature Coefficient=100ppm/°C, Tolerance=1%, Voltage Rating=75V, Case/Package=0603, Composition="Thick Film", Contact Plating=Tin, Depth=0.85mm, Features="Automotive AEC-Q200", Height=0.45mm, Lead Free="Lead Free", Length=1.55mm, Military Standard=Not, Number of Pins=2, Number of Terminations=2, Packaging="Tape and Reel", Power Rating=100mW, Radiation Hardening=No, Termination=SMD/SMT, Voltage Rating (DC)=75V, Weight=7.1E-05oz, Width=0.033inch, Working Voltage=75V
R200: library part CMP-2004-00521-1, "100mW Thick Film Resistors 75V ±1% ±100ppm/℃ 36.5kΩ 0603 Chip Resistor - Surface", Manufacturer="Vishay Dale", Part Number=CRCW020136K5FNED
R201: library part CMP-2002-07734-1, "RES 523K OHM 1% 1/16W 0402", Manufacturer="Yageo / Phycomp", Part Number=RC0402FR-07523KL
R202: library part CMP-1010-00569-1, "23K7 0.05W 1% 0201 (0603 Metric)  SMD", Case-EIA=0201, Case-Metric=0603, Power="0.05 W", Tolerance="1 %", Technology=SMT
R203: library part CMP-1010-00685-2, "Res Thick Film 0603 2.2K Ohm 1% 0.1W(1/10W) ±100ppm/C SMD AutomoTEXASve T/R", Manufacturer="Vishay Dale", Part Number=CRCW0201249KFKED
R204: library part CMP-03412-011069-1, "RES 11.7K OHM 0.1% 1/8W 0805", Manufacturer=Yageo, Manufacturer Part Number=RT0805BRD0711K7L, Package=RT0805, Power Rating=0.125W, Resistance=11.7kΩ, Temperature="-55°C to +155°C", Temperature Coefficient=25ppm/°C, Temperature Range High=+155°C, Temperature Range Low=-55°C, Tolerance=0.1%, Voltage Rating=150V, Automotive=No, Category=Res, ComponentLink2Description=Datasheet, ComponentLink2URL=http://www.yageo.com/documents/recent/PYu-RT_1-to-0.01_RoHS_L_9.pdf, Composition="Thin Film", Device Class L1="Passive Components", Device Class L2=Resistors, Device Class L3="Chip SMD Resistors", Digikey Description="RES 11.7K OHM 0.1% 1/8W 0805", Footprint Url=http://www.yageo.com/exep/pages/download/literatures/PYu-R_Mount_10.pdf, Height=0.6mm, Lead Free=Yes, Mouser Description="High Precision-High Stability Chip Resistor Thin Film 0805 11.7kOhm 0.1% Paper T/R", Octopart=https://octopart.com/rt0805brd0711k7l-yageo-78404094, RoHS=TRUE, Series=RT, Ipc Land Pattern Name=RESC200125X50
R205: library part CMP-2002-07822-1, "RES 84.5K OHM 1% 1/16W 0402", Manufacturer="Yageo / Phycomp", Part Number=RC0402FR-0784K5L
R300 R302 R315 R323 R400 R401: library part CMP-2002-07464-1, Manufacturer="Yageo / Phycomp", Part Number=RC0402FR-071K5L
R301 R303 R304 R306 R307 R310 R314 R316 R317 R324 R325 R327 R330 R402 R403 R404 R406 R407 R409 R600: library part CMP-2002-07353-1, Manufacturer="Yageo / Phycomp", Part Number=RC0402FR-0710KL
R305 R308 R318 R328 R405 R408: library part CMP-2002-07701-1, Manufacturer="Yageo / Phycomp", Part Number=RC0402FR-0747KL
R309 R311 R326 R331 R410 R411: library part CMP-2002-07456-1, Manufacturer="Yageo / Phycomp", Part Number=RC0402FR-071K2L
R312 R313 R329 R332 R412 R413: library part CMP-2002-07055-1, Manufacturer="Yageo / Phycomp", Part Number=RC0402FR-0727RL
R319 R320 R321 R322: library part CMP-2002-07613-1, "Thick Film Resistors - SMD General Purpose Chip Resistor 0402, 330 Ohms, 1%, 1/16W", Manufacturer="Yageo / Phycomp", Part Number=RC0402FR-07330RL, Supplier=Farnell, Supplier Part Number=RC0402FR-07330RL
R500: library part CMP-2002-07697-1, Manufacturer="Yageo / Phycomp", Part Number=RC0402FR-07470RL
R501 R502: library part CMP-1011-00586-2, Manufacturer="Yageo / Phycomp", Part Number=RC0402FR-074K7L
R601: library part CMP-1011-00001-2, Manufacturer="Yageo / Phycomp", Part Number=RC0402JR-070RL
U100: library part CMP-0069-01838-4, "High-Side Protection Controller with Low Quiescent Current, 10-pin MSOP, Pb-Free", Manufacturer="Texas Instruments", PackageTopMarking=ZXTT*SZAB, PowerWise=Y, Code_JEDEC=MO-187-BA, ComponentLink1Description="Datasheet URL", ComponentLink1URL=http://www.ti.com/general/docs/lit/getliterature.tsp?genericPartNumber=LM5060-Q1&fileType=pdf, CompType=Switcher, High-Reliability=Y, PackageDescription="Mini-SO, Molded, .118 x .118 x .034in Body, 10 Lead, .0197in Pitch", PackageReference=DGS0010A, PartNumber=LM5060Q1MMX/NOPB, PinCount=10, RoHS=Y
U200: library part CMP-04918-000007-1, "IC REG BCK SPLIT RAIL ADJ 8SOPWR", Ambient Temperature Range High=+125°C, Ambient Temperature Range Low=-40°C, Manufacturer="Texas Instruments", Max Junction Temp=+150°C, Max Supply Voltage=60V, Min Supply Voltage=4.5V, Nominal Supply Current=146uA, Output Current=3.5A, Output Voltage=0.8-58.8V, Package=DDA0008E, Switching Frequency=100-2500kHz, Temperature="-40°C to +125°C", Automotive=Yes, Automotive Grade="Grade 1", Category=IC, ComponentLink2Description=Datasheet, ComponentLink2URL=http://www.ti.com/lit/ds/symlink/tps54360b-q1.pdf, Device Class L1="Integrated Circuits (ICs)", Device Class L2="Power Management ICs", Device Class L3="Voltage Regulators - Switching", Digikey Description="IC REG BCK SPLIT RAIL ADJ 8SOPWR", Height=1.7mm, Lead Free=Yes, Manufacturer Part Number=TPS54360BQDDARQ1, Max Duty Cycle=98%, Number Of Outputs=1, Octopart=https://octopart.com/tps54360bqddarq1-texas+instruments-80336296, Output Type=AdjustableProgrammable, RoHS=TRUE, Standoff Height=0mm, Switching Topology=Buck, Temperature Range High=+125°C, Temperature Range Low=-40°C
U300 U301 U303 U304: library part CMP-32849-000085-1, "IC PWR SWITCH N-CHAN 1:1 DSO-14", Max Operating Temperature=150°C, Max Output Current=9A, Max Power Dissipation=1.6W, Max Supply Voltage=36V, Min Operating Temperature=-40°C, Nominal Supply Current=2mA, Fault Protection="Over Voltage", Halogen Free="Halogen Free", Lead Free="Lead Free", Mount="Surface Mount", Number of Channels=1, Number Of Outputs=1, Number of Pins=14, Output Configuration="High Side", Packaging="Cut Tape", RoHS Compliant=Yes, Series=-, Supply Current=2mA, Interface=On/Off
U302: library part CMP-04860-000052-2, "IC ADC 12BIT SAR 16WQFN", Ambient Temperature Range High=85°C, Manufacturer Lifecycle Status=ACTIVE, Max Junction Temperature (Tj)=125°C, Max Supply Voltage=5.5V, Min Operating Temperature=-40°C, Min Supply Voltage=1.65V, Height=800µm, Length=3mm, Lifecycle Status=Production, Max Operating Temperature=85°C, NexarPartId=103121062, Number of Channels=8, Number of Converters=1, Number of Pins=16, Thickness=750µm, Width=3mm, Interface=I2C
U400 U401: "Power Switch ICs – Power Distribution; INFINEON; BTT60201ERAXUMA1; 1; 7 A", Manufacturer=Infineon, Max Junction Temperature (Tj)=150°C, Max Output Current=7A, Max Power Dissipation=1.6W, Max Supply Current=9mA, Max Supply Voltage=48V, Min Operating Temperature=-40°C, Min Supply Voltage=5V, Operating Supply Voltage=8V, Ratings=AEC-Q100, Category="Power Switch ICs - Power Distribution", ComponentLink1Description=https://datasheet.octopart.com:443/BTT60201ERAXUMA1-Infineon-datasheet-180055284.pdf?src-supplier=IHS, ComponentLink1URL=https://datasheet.octopart.com:443/BTT60201ERAXUMA1-Infineon-datasheet-180055284.pdf?src-supplier=IHS, ComponentLink2Description=http://sigma.octopart.com:80/conflict_mineral_statement/Infineon-company-51.pdf?src-supplier=Compliance+Statements, ComponentLink2URL=http://sigma.octopart.com:80/conflict_mineral_statement/Infineon-company-51.pdf?src-supplier=Compliance+Statements, Height=1.15mm, Height - Seated (Max)=1.15mm, Length=8.65mm, Lifecycle Status=Production, Manufacturer Part Number=BTT60201ERAXUMA1, Max Operating Temperature=150°C, Number of Circuits=1, Number Of Outputs=1, Number of Terminals=14, Output Current=7A, Pricing="5=4,52, 50=2,78, 100=2,42, 500=2, 1500=1,67 (EUR)", REACH SVHC=Yes, RoHS=Compliant, Schedule B="8542390000, 8542390000|8542390000|8542390000|8542390000|8542390000", Stock=7297, Supplier=Farnell, Supplier Part Number=BTT60201ERAXUMA1, Terminal Pitch=1.27mm, Width=3.9mm
U500: library part CMP-04948-000031-1, "SENSOR DIGITAL -40C-125C 6SOT", Case/Package=SOT-563, Max Operating Temperature=125°C, Min Operating Temperature=-40°C, Operating Supply Voltage=3.6V, Quiescent Current=10uA, Lead Free="Lead Free", Mount="Surface Mount", Number of Pins=6, Output Type=I2C, Packaging="Tape and Reel", Resolution=11b, RoHS Compliant=Yes, Interface=I2C
U600: "WiFi-Module 802.11 2, 4GHz 150Mb/s", Manufacturer="Espressif Systems", Supplier Part Number=1965-ESP32-C6-WROOM-1-N8CT-ND, Category="RF Transceiver Modules and Modems", ComponentLink1Description=https://datasheet.octopart.com:443/ESP32-C6-WROOM-1-N8-Espressif-Systems-datasheet-188867345.pdf?src-supplier=TME, ComponentLink1URL=https://datasheet.octopart.com:443/ESP32-C6-WROOM-1-N8-Espressif-Systems-datasheet-188867345.pdf?src-supplier=TME, ComponentLink2Description=https://datasheet.octopart.com:443/ESP32-C6-WROOM-1-N8-Espressif-Systems-datasheet-188867343.pdf?src-supplier=TME, ComponentLink2URL=https://datasheet.octopart.com:443/ESP32-C6-WROOM-1-N8-Espressif-Systems-datasheet-188867343.pdf?src-supplier=TME, ComponentLink3Description=https://datasheet.octopart.com:443/ESP32-C6-WROOM-1-N8-Espressif-Systems-datasheet-176782707.pdf?src-supplier=SOS+electronic, ComponentLink3URL=https://datasheet.octopart.com:443/ESP32-C6-WROOM-1-N8-Espressif-Systems-datasheet-176782707.pdf?src-supplier=SOS+electronic, Manufacturer Part Number=ESP32-C6-WROOM-1-N8, Pricing="1=5,38, 10=4,66, 25=4,4084, 100=4,0625, 250=3,85516 (USD)", Stock=3437, Supplier=DigiKey
XF100: library part CMP-2000-05461-1, "FUSE HOLDER, PCB MOUNT, 500VAC, 20A, ROHS", Current Rating=30A, Manufacturer=Keystone-Electronics, Voltage=500V, Category=CircuitProtection, Contact Finish=TinNickel, Contact Material=Brass, Datasheet URL=http://datasheet.octopart.com/3557-2-Keystone-datasheet-15715937.pdf, Datasheet Version=Apr-13, Family=Fuseholders, For Use With/Related Products=ATC,ATO257,MINI897, Fuse Size="0.43\"Lx0.15\"Wx0.64\"H(10.92mmx3.81mmx16.25mm)", Fuse Type=Blade, Fuseholder Type=Block, Manufacturer URL=http://www.keyelco.com/, Mounting Type=PCB, Number of Circuits=1, Orientation=Vertical, Series=-, Termination Style=PCPin

## Via types
v1: diameter 0.63, hole 0.33, Top Layer to Bottom Layer, 6 vias
v2: diameter 0.5, hole 0.2, Top Layer to Bottom Layer, 5 vias

## Nets (pads, with @x,y where several pads share a name; then routed paths per layer and width w, separated by ;. In a path a pad name is that pad's centre, name@x,y a point inside that pad or via, vN(x,y) a via of type N, cw(c..) or ccw(c..) an arc to the next point about the centre after c; other vN are vias at no path point)
ADDR_A0: P601.2 U600.10
ADDR_A1: P602.2 U600.15
ADS_AINO0: R310.2 R311.2 U301.6 U302.15
ADS_AINO1: R330.2 R331.2 U302.16 U304.6
ADS_AINO2: R307.2 R309.2 U300.6 U302.1
ADS_AINO3: R324.2 R326.2 U302.2 U303.6
ADS_AINO4: R409.2 R411.2 U302.3 U401.6
ADS_AINO5: R407.2 R410.2 U302.4 U400.6
BTT4_OUT: C403.1 P400.1 R401.1 R408.2 U401.10 U401.11 U401.12
BTT5_OUT: C402.1 P400.3 R400.1 R405.2 U400.10 U400.11 U400.12
BTT_OUT0: C303.1 P350.1 R302.1 R308.2 U301.10 U301.11 U301.12
BTT_OUT1: C313.1 P350.3 R323.1 R328.2 U304.10 U304.11 U304.12
BTT_OUT2: C302.1 P350.5 R300.1 R305.2 U300.10 U300.11 U300.12
BTT_OUT3: C311.1 P350.7 R315.1 R318.2 U303.10 U303.11 U303.12
ESP_ALERT: R314.1 U302.12 U500.3 U600.8
ESP_DEN0: R303.2 U600.16
ESP_DEN1: R325.2 U600.17
ESP_DEN2: R301.2 U600.18
ESP_DEN3: R316.2 U600.19
ESP_DEN4: R403.1 U600.20
ESP_DEN5: R402.1 U600.21
ESP_EN: C602.1 D600.3 R600.1 U600.3
ESP_IN0: D306.2 R306.1 U600.4
ESP_IN1: D307.2 R327.1 U600.5
ESP_IN2: D308.2 R304.1 U600.6
ESP_IN3: D309.2 R317.1 U600.7
ESP_IN4: R406.1 U600.11
ESP_IN5: R404.1 U600.12
ESP_INT: P600.3 U600.9
ESP_RXD0: P603.4 U600.24
ESP_SCL: C202.2 C306.2 C307.2 C600.1 C601.1 L200.2 P601.3 P602.3 P603.2 R102.1 R104.2 R200.2 R314.2 R500.2 R501.2 R502.2 R600.2 R601.1 U302.7 U302.10 U302.13 U302.14 U600.2 U600.13 U600.14
ESP_TXD0: P603.3 U600.25
EXT_RST: D600.1 P600.2
EXT_SCL: P600.4 U600.26
EXT_SDA: P600.5 U600.27
GND: C100.1 C101.2 C102.2 C103.2 C201.1 C202.1 C203.2 C204.2 C300.2 C301.2 C302.2 C303.2 C304.2 C305.2 C306.1 C307.1 C308.1 C309.2 C310.2 C311.2 C312.2 C313.2 C314.2 C400.2 C401.2 C402.2 C403.2 C404.2 C405.2 C500.2 C600.2 C601.2 C602.2 D100.2 D200.2 D300.2 D301.2 D302.3 D303.3 D304.2 D305.2 D310.3 D311.3 D400.2 D401.2 D402.3 D403.3 P350.2 P350.4 P350.6 P350.8 P400.2 P400.4 P600.1 P601.1 P602.1 P603.1 Q300.2 Q301.2 Q302.2 Q303.2 Q400.2 Q401.2 R106.1 R203.1 R204.1 R205.1 R305.1 R308.1 R309.1 R311.1 R318.1 R319.1 R320.1 R321.1 R322.1 R326.1 R328.1 R331.1 R405.1 R408.1 R410.1 R411.1 U100.6 U200.7 U200.9 U302.9 U302.11 U302.17 U500.2 U500.4 U600.1 U600.28 U600.29_1 U600.29_2 U600.29_3 U600.29_4 U600.29_5 U600.29_6 U600.29_7 U600.29_8 U600.29_9
  other v1: 259.1,56.775 260.4,56.775 259.1,58.075 260.4,58.075 259.1,59.375 260.4,59.375
  other v2: 257.97,38.845 259.13,38.845 258.55,39.425 257.97,40.005 259.13,40.005
NetC100_2: C100.2 FB100.1 Q101.2 U100.9
NetC102_1: C102.1 J100.2
NetC103_1: C103.1 U100.7
NetC200_1: C200.1 U200.1
NetC200_2: C200.2 D200.1 L200.1 U200.8
NetC203_1: C203.1 R202.2 U200.6
NetC204_1: C204.1 R202.1
NetC304_1: C304.1 R307.1
NetC305_1: C305.1 R310.1
NetC308_2: C308.2 U302.8
NetC312_1: C312.1 R324.1
NetC314_1: C314.1 R330.1
NetC404_1: C404.1 R407.1
NetC405_1: C405.1 R409.1
NetC500_1: C500.1 R500.1 U500.5
NetD100_1: D100.1 Q100.2 R100.2 R103.2 U100.2 XF100.3 XF100.4
NetD302_1: D302.1 R312.1
NetD303_1: D303.1 R313.1
NetD306_1: D306.1 R319.2
NetD307_1: D307.1 R320.2
NetD308_1: D308.1 R321.2
NetD309_1: D309.1 R322.2
NetD310_1: D310.1 R329.1
NetD311_1: D311.1 R332.1
NetD402_1: D402.1 R412.1
NetD403_1: D403.1 R413.1
NetP600_6: P600.6 R601.2
NetQ100_1: Q100.1 Q101.1 R101.2
NetQ100_3: Q100.3 Q101.3
NetQ300_3: Q300.3 R302.2
NetQ301_3: Q301.3 R323.2
NetQ302_3: Q302.3 R300.2
NetQ303_3: Q303.3 R315.2
NetQ400_3: Q400.3 R400.2
NetQ401_3: Q401.3 R401.2
NetR100_1: R100.1 U100.1
NetR101_1: R101.1 U100.10
NetR102_2: R102.2 U100.8
NetR103_1: R103.1 R105.2 U100.4
NetR104_1: R104.1 U100.5
NetR105_1: R105.1 R106.2 U100.3
NetR200_1: R200.1 R204.2 U200.5
NetR201_1: R201.1 R205.2 U200.3
NetR203_2: R203.2 U200.4
NetR301_1: R301.1 U300.5
NetR303_1: R303.1 U301.5
NetR304_2: R304.2 U300.4
NetR306_2: R306.2 U301.4
NetR312_2: R312.2 U300.3
NetR313_2: R313.2 U301.3
NetR316_1: R316.1 U303.5
NetR317_2: R317.2 U303.4
NetR325_1: R325.1 U304.5
NetR327_2: R327.2 U304.4
NetR329_2: R329.2 U303.3
NetR332_2: R332.2 U304.3
NetR402_2: R402.2 U400.5
NetR403_2: R403.2 U401.5
NetR404_2: R404.2 U400.4
NetR406_2: R406.2 U401.4
NetR412_2: R412.2 U400.3
NetR413_2: R413.2 U401.3
NetR501_1: R501.1 U500.1
NetR502_1: R502.1 U500.6
V_IN_RAW: J100.1 XF100.1 XF100.2
V_SYS: C101.1 C201.2 C300.1 C301.1 C309.1 C310.1 C400.1 C401.1 D300.1 D301.1 D304.1 D305.1 D400.1 D401.1 FB100.2 Q300.1 Q301.1 Q302.1 Q303.1 Q400.1 Q401.1 R201.2 U200.2 U300.15 U301.15 U303.15 U304.15 U400.15 U401.15
pads on no net: D302.2 D303.2 D310.2 D311.2 D402.2 D403.2 D600.2 U300.1 U300.2 U300.7 U300.8 U300.9 U300.13 U300.14 U301.1 U301.2 U301.7 U301.8 U301.9 U301.13 U301.14 U302.5 U302.6 U303.1 U303.2 U303.7 U303.8 U303.9 U303.13 U303.14 U304.1 U304.2 U304.7 U304.8 U304.9 U304.13 U304.14 U400.1 U400.2 U400.7 U400.8 U400.9 U400.13 U400.14 U401.1 U401.2 U401.7 U401.8 U401.9 U401.13 U401.14 U600.22 U600.23 U600.30_1 U600.30_2 U600.30_3 U600.30_4 U600.30_5 U600.30_6 U600.30_7 U600.30_8 U600.30_9 U600.30_10 U600.30_11 U600.30_12

## Polygon pours and split planes (outlines as drawn)
no net on Int1 (GND) (split plane): 294.49,0.51 200.51,0.51 200.51,74.49 294.49,74.49
no net on Int2 (PWR) (split plane): 294.49,0.51 200.51,0.51 200.51,74.49 294.49,74.49